# Altium PCB VOU_SOM_CV_V0.0.1.PcbDoc (part 1 of 3) (continued)
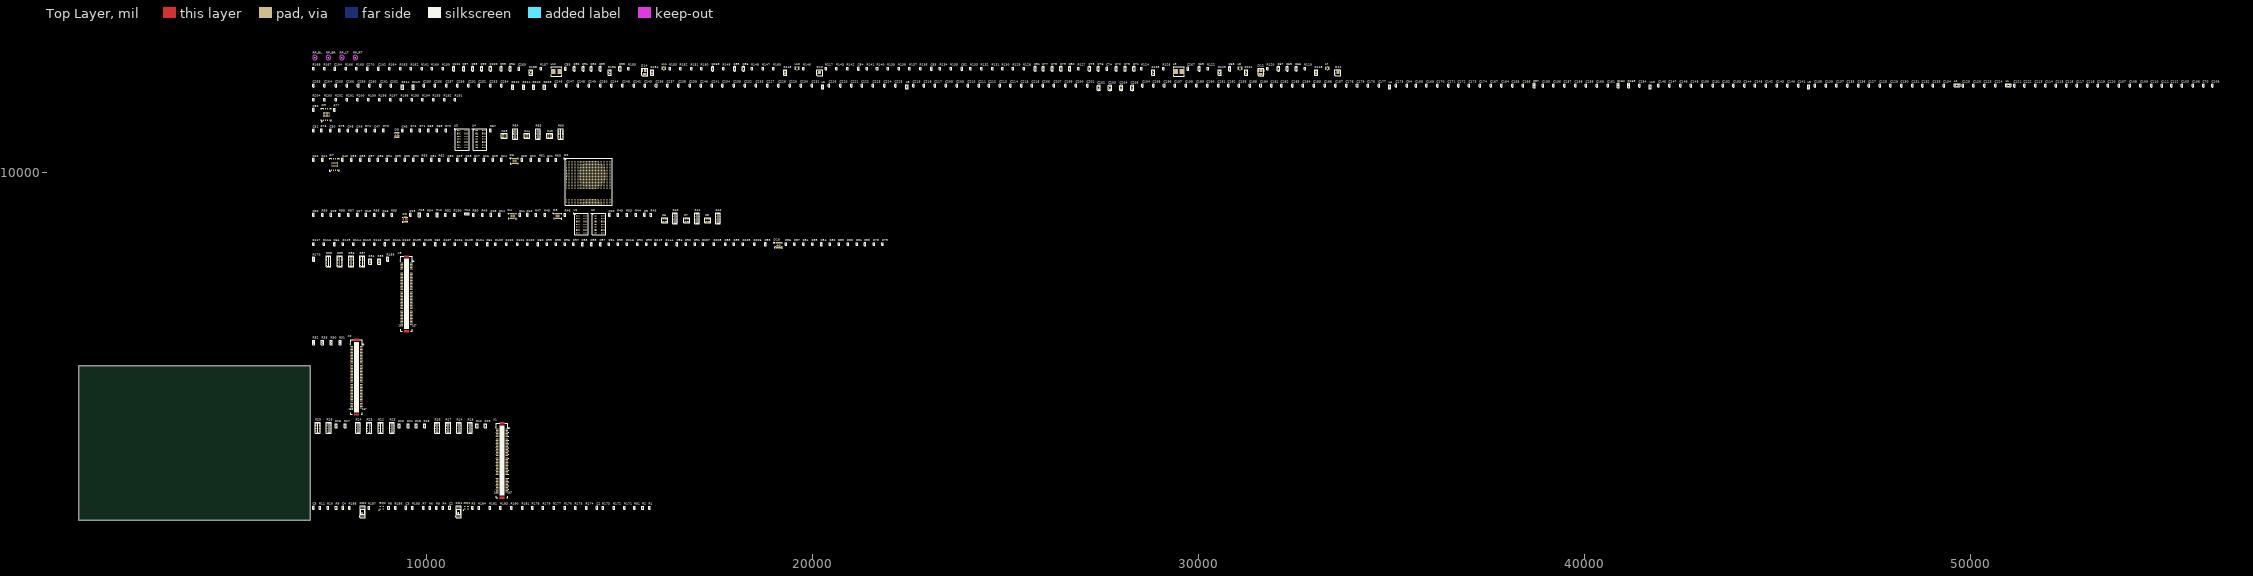
[diagram p0: Top Layer view]
## Components (designator, comment, footprint, x,y, rotation, side; value= is the part's Value field where it differs from the comment) (continued)
C116 "CC0402-X7R-0,01 мкФ-10%-50В" CC0402(1005) 52495,12265 r90 top
C117 "CC0402-X7R-0,01 мкФ-10%-50В" CC0402(1005) 52765,12265 r90 top
C118 "CC0402-X7R-0,01 мкФ-10%-50В" CC0402(1005) 53035,12265 r90 top
C119 "CC0402-X7R-0,01 мкФ-10%-50В" CC0402(1005) 53305,12265 r90 top
C120 "CC0402-X7R-0,01 мкФ-10%-50В" CC0402(1005) 53575,12265 r90 top
C121 "CC0402-X7R-0,01 мкФ-10%-50В" CC0402(1005) 51145,12265 r90 top
C122 "CC0402-X7R-0,01 мкФ-10%-50В" CC0402(1005) 51405,12265 r90 top
C123 "CC0402-X7R-0,1 мкФ-20%-10В" CC0402(1005) 50370,12265 r90 top
C124 "CC0402-X7R-0,1 мкФ-20%-10В" CC0402(1005) 50650,12265 r90 top
C125 "CC0402-X7R-0,01 мкФ-10%-50В" CC0402(1005) 49810,12265 r90 top
C126 "CC0402-X7R-0,01 мкФ-10%-50В" CC0402(1005) 50090,12265 r90 top
C127 "CC0402-X7R-0,01 мкФ-10%-50В" CC0402(1005) 47380,12265 r90 top
C128 "CC0402-X7R-0,01 мкФ-10%-50В" CC0402(1005) 47660,12265 r90 top
C129 "CC0402-X7R-0,01 мкФ-10%-50В" CC0402(1005) 47940,12265 r90 top
C130 "CC0402-X7R-0,01 мкФ-10%-50В" CC0402(1005) 48220,12265 r90 top
C131 "CC0402-X7R-0,01 мкФ-10%-50В" CC0402(1005) 48500,12265 r90 top
C132 "CC0402-X7R-0,01 мкФ-10%-50В" CC0402(1005) 48760,12265 r90 top
C133 "CC0402-X7R-0,01 мкФ-10%-50В" CC0402(1005) 49040,12265 r90 top
C134 "CC0402-X7R-0,01 мкФ-10%-50В" CC0402(1005) 49320,12265 r90 top
C135 "CC0402-X7R-0,01 мкФ-10%-50В" CC0402(1005) 46820,12265 r90 top
C136 "CC0402-X7R-0,01 мкФ-10%-50В" CC0402(1005) 47100,12265 r90 top
C137 "CC0402-X7R-0,01 мкФ-10%-50В" CC0402(1005) 46540,12265 r90 top
C138 "CC0402-X7R-0,1 мкФ-20%-10В" CC0402(1005) 45980,12265 r90 top
C139 "CC0402-X7R-0,1 мкФ-20%-10В" CC0402(1005) 46260,12265 r90 top
C140 "CC0402-X7R-0,01 мкФ-10%-50В" CC0402(1005) 45270,12265 r90 top
C141 "CC0402-X7R-0,01 мкФ-10%-50В" CC0402(1005) 45550,12265 r90 top
C142 "CC0402-X7R-0,01 мкФ-10%-50В" CC0402(1005) 44710,12265 r90 top
C143 "CC0402-X7R-0,01 мкФ-10%-50В" CC0402(1005) 44990,12265 r90 top
C144 "CC0402-X7R-0,01 мкФ-10%-50В" CC0402(1005) 44150,12265 r90 top
C145 "CC0402-X7R-0,01 мкФ-10%-50В" CC0402(1005) 44430,12265 r90 top
C146 "CC0402-X7R-0,01 мкФ-10%-50В" CC0402(1005) 41930,12265 r90 top
C147 "CC0402-X7R-0,01 мкФ-10%-50В" CC0402(1005) 42210,12265 r90 top
C148 "CC0402-X7R-0,01 мкФ-10%-50В" CC0402(1005) 42490,12265 r90 top
C149 "CC0402-X7R-0,01 мкФ-10%-50В" CC0402(1005) 42770,12265 r90 top
C150 "CC0402-X7R-0,01 мкФ-10%-50В" CC0402(1005) 43050,12265 r90 top
C151 "CC0402-X7R-0,01 мкФ-10%-50В" CC0402(1005) 43330,12265 r90 top
C152 "CC0402-X7R-0,01 мкФ-10%-50В" CC0402(1005) 43590,12265 r90 top
C153 "CC0402-X7R-0,01 мкФ-10%-50В" CC0402(1005) 43870,12265 r90 top
C154 "CC0402-X7R-0,01 мкФ-10%-50В" CC0402(1005) 41430,12265 r90 top
C155 "CC0402-X7R-0,01 мкФ-10%-50В" CC0402(1005) 38930,12265 r90 top
C156 "CC0402-X7R-0,01 мкФ-10%-50В" CC0402(1005) 39210,12265 r90 top
C157 "CC0402-X7R-0,01 мкФ-10%-50В" CC0402(1005) 39490,12265 r90 top
C158 "CC0402-X7R-0,01 мкФ-10%-50В" CC0402(1005) 39770,12265 r90 top
C159 "CC0402-X7R-0,01 мкФ-10%-50В" CC0402(1005) 40050,12265 r90 top
C160 "CC0402-X7R-0,1 мкФ-20%-10В" CC0402(1005) 40330,12265 r90 top
C161 "CC0402-X7R-0,1 мкФ-20%-10В" CC0402(1005) 40610,12265 r90 top
C162 "CC0603-X5R-22 мкФ-20%-6,3В" CC0603 40880,12265 r90 top
C163 "CC0603-X5R-22 мкФ-20%-6,3В" CC0603 41155,12265 r90 top
C164 "CC0402-X7R-0,01 мкФ-10%-50В" CC0402(1005) 37860,12265 r90 top
C165 "CC0402-X7R-0,01 мкФ-10%-50В" CC0402(1005) 38140,12265 r90 top
C166 "CC0402-X7R-0,1 мкФ-20%-10В" CC0402(1005) 38420,12265 r90 top
C167 "CC0402-X7R-0,01 мкФ-10%-50В" CC0402(1005) 37580,12265 r90 top
C168 "CC0402-X7R-4700 пФ-10%-50В" CC0402(1005) 35640,12265 r90 top
C169 "CC0402-X7R-4700 пФ-10%-50В" CC0402(1005) 35920,12265 r90 top
C170 "CC0402-X7R-4700 пФ-10%-50В" CC0402(1005) 36200,12265 r90 top
C171 "CC0402-X7R-4700 пФ-10%-50В" CC0402(1005) 36480,12265 r90 top
C172 "CC0402-X7R-4700 пФ-10%-50В" CC0402(1005) 36740,12265 r90 top
C173 "CC0402-X7R-4700 пФ-10%-50В" CC0402(1005) 37020,12265 r90 top
C174 "CC0402-X7R-4700 пФ-10%-50В" CC0402(1005) 37300,12265 r90 top
C175 "CC0402-X7R-0,01 мкФ-10%-50В" CC0402(1005) 35130,12265 r90 top
C176 "CC0402-X7R-0,1 мкФ-20%-10В" CC0402(1005) 34400,12265 r90 top
C177 "CC0402-X7R-0,1 мкФ-20%-10В" CC0402(1005) 34680,12265 r90 top
C178 "CC0402-X7R-0,01 мкФ-10%-50В" CC0402(1005) 33840,12265 r90 top
C179 "CC0402-X7R-0,01 мкФ-10%-50В" CC0402(1005) 34120,12265 r90 top
C180 "CC0402-X7R-4700 пФ-10%-50В" CC0402(1005) 31620,12265 r90 top
C181 "CC0402-X7R-4700 пФ-10%-50В" CC0402(1005) 31900,12265 r90 top
C182 "CC0402-X7R-4700 пФ-10%-50В" CC0402(1005) 32160,12265 r90 top
C183 "CC0402-X7R-4700 пФ-10%-50В" CC0402(1005) 32440,12265 r90 top
C184 "CC0402-X7R-4700 пФ-10%-50В" CC0402(1005) 32720,12265 r90 top
C185 "CC0402-X7R-4700 пФ-10%-50В" CC0402(1005) 33000,12265 r90 top
C186 "CC0402-X7R-4700 пФ-10%-50В" CC0402(1005) 33280,12265 r90 top
C187 "CC0402-X7R-4700 пФ-10%-50В" CC0402(1005) 33560,12265 r90 top
C188 "CC0402-X7R-0,01 мкФ-10%-50В" CC0402(1005) 31340,12265 r90 top
C189 "CC0402-X7R-0.047 мкФ-10%-50В" CC0402(1005) 29960,12265 r90 top
C190 "CC0402-X7R-0.047 мкФ-10%-50В" CC0402(1005) 30240,12265 r90 top
C191 "CC0402-X7R-0.047 мкФ-10%-50В" CC0402(1005) 30520,12265 r90 top
C192 "CC0402-X7R-0.047 мкФ-10%-50В" CC0402(1005) 30780,12265 r90 top
C193 "CC0402-X7R-0.047 мкФ-10%-50В" CC0402(1005) 31060,12265 r90 top
C194 "CC0402-X7R-0,01 мкФ-10%-50В" CC0402(1005) 28560,12265 r90 top
C195 "CC0402-X7R-0,01 мкФ-10%-50В" CC0402(1005) 28840,12265 r90 top
C196 "CC0402-X7R-0,01 мкФ-10%-50В" CC0402(1005) 29120,12265 r90 top
C197 "CC0402-X7R-0,1 мкФ-20%-10В" CC0402(1005) 29400,12265 r90 top
C198 "CC0402-X7R-0,1 мкФ-20%-10В" CC0402(1005) 29680,12265 r90 top
C199 "CC0402-X5R-10 мкФ-20%-6.3В" CC0402(1005) 26560,12265 r90 top
C200 "CC0402-X5R-10 мкФ-20%-6.3В" CC0402(1005) 26840,12265 r90 top
C201 "CC0402-X5R-10 мкФ-20%-6.3В" CC0402(1005) 27130,12265 r90 top
C202 "CC0805-X5R-100 мкФ-20%-4В" CC0805 27425,12205 r90 top
C203 "CC0805-X5R-100 мкФ-20%-4В" CC0805 27715,12205 r90 top
C204 "CC0805-X5R-100 мкФ-20%-4В" CC0805 28005,12205 r90 top
C205 "CC0805-X5R-100 мкФ-20%-4В" CC0805 28295,12205 r90 top
C206 "CC0402-X7R-0,01 мкФ-10%-50В" CC0402(1005) 25980,12265 r90 top
C207 "CC0402-X7R-0,01 мкФ-10%-50В" CC0402(1005) 26270,12265 r90 top
C208 "CC0402-X7R-0,01 мкФ-10%-50В" CC0402(1005) 23460,12265 r90 top
C209 "CC0402-X7R-0,01 мкФ-10%-50В" CC0402(1005) 23750,12265 r90 top
C210 "CC0402-X7R-0,1 мкФ-20%-10В" CC0402(1005) 24040,12265 r90 top
C211 "CC0402-X7R-0,1 мкФ-20%-10В" CC0402(1005) 24320,12265 r90 top
C212 "CC0402-X7R-0,1 мкФ-20%-10В" CC0402(1005) 24580,12265 r90 top
C213 "CC0402-X7R-0,22 мкФ-10%-6.3В" CC0402(1005) 24860,12265 r90 top
C214 "CC0402-X7R-0,22 мкФ-10%-6.3В" CC0402(1005) 25140,12265 r90 top
C215 "CC0402-X7R-0,47 мкФ-10%-6.3В" CC0402(1005) 25420,12265 r90 top
C216 "CC0402-X5R-1 мкФ-10%-6.3В" CC0402(1005) 25700,12265 r90 top
C217 "CC0402-X7R-0,01 мкФ-10%-50В" CC0402(1005) 23180,12265 r90 top
C218 "CC0402-X7R-0,01 мкФ-10%-50В" CC0402(1005) 22900,12265 r90 top
C219 "CC0402-X7R-0,01 мкФ-10%-50В" CC0402(1005) 22620,12265 r90 top
C220 "CC0402-X7R-0,01 мкФ-10%-50В" CC0402(1005) 20730,12265 r90 top
C221 "CC0402-X7R-0,01 мкФ-10%-50В" CC0402(1005) 21020,12265 r90 top
C222 "CC0402-X7R-0,01 мкФ-10%-50В" CC0402(1005) 21290,12265 r90 top
C223 "CC0402-X7R-0,1 мкФ-20%-10В" CC0402(1005) 21580,12265 r90 top
C224 "CC0402-X7R-0,1 мкФ-20%-10В" CC0402(1005) 21870,12265 r90 top
C225 "CC0402-X7R-0,1 мкФ-20%-10В" CC0402(1005) 22160,12265 r90 top
C226 "CC0402-X7R-0,01 мкФ-10%-50В" CC0402(1005) 20440,12265 r90 top
C227 "CC0402-X7R-4700 пФ-10%-50В" CC0402(1005) 18840,12265 r90 top
C228 "CC0402-X7R-4700 пФ-10%-50В" CC0402(1005) 19130,12265 r90 top
C229 "CC0402-X7R-0,22 мкФ-10%-6.3В" CC0402(1005) 19420,12265 r90 top
C230 "CC0402-X7R-0,22 мкФ-10%-6.3В" CC0402(1005) 19710,12265 r90 top
C231 "CC0402-X7R-0,47 мкФ-10%-6.3В" CC0402(1005) 20000,12265 r90 top
C232 "CC0402-X7R-0,1 мкФ-20%-10В" CC0402(1005) 18260,12265 r90 top
C233 "CC0402-X7R-0,1 мкФ-20%-10В" CC0402(1005) 18550,12265 r90 top
C234 "CC0402-X7R-0,01 мкФ-10%-50В" CC0402(1005) 17680,12265 r90 top
C235 "CC0402-X7R-0,01 мкФ-10%-50В" CC0402(1005) 17970,12265 r90 top
C236 "CC0402-X7R-0,01 мкФ-10%-50В" CC0402(1005) 15960,12265 r90 top
C237 "CC0402-X7R-0,01 мкФ-10%-50В" CC0402(1005) 16250,12265 r90 top
C238 "CC0402-X7R-0,01 мкФ-10%-50В" CC0402(1005) 16540,12265 r90 top
C239 "CC0402-X7R-0,1 мкФ-20%-10В" CC0402(1005) 16830,12265 r90 top
C240 "CC0402-X7R-0,1 мкФ-20%-10В" CC0402(1005) 17120,12265 r90 top
C241 "CC0402-X7R-0,1 мкФ-20%-10В" CC0402(1005) 17410,12265 r90 top
C242 "CC0402-X7R-0,1 мкФ-20%-10В" CC0402(1005) 15380,12265 r90 top
C243 "CC0402-X7R-0,1 мкФ-20%-10В" CC0402(1005) 15670,12265 r90 top
C244 "CC0402-X7R-0,01 мкФ-10%-50В" CC0402(1005) 14800,12265 r90 top
C245 "CC0402-X7R-0,01 мкФ-10%-50В" CC0402(1005) 15090,12265 r90 top
C246 "CC0402-X7R-4700 пФ-10%-50В" CC0402(1005) 13350,12265 r90 top
C247 "CC0402-X7R-4700 пФ-10%-50В" CC0402(1005) 13640,12265 r90 top
C248 "CC0402-X7R-0,22 мкФ-10%-6.3В" CC0402(1005) 13930,12265 r90 top
C249 "CC0402-X7R-0,22 мкФ-10%-6.3В" CC0402(1005) 14220,12265 r90 top
C250 "CC0402-X7R-0,47 мкФ-10%-6.3В" CC0402(1005) 14510,12265 r90 top
C251 "CC0402-X7R-0,1 мкФ-20%-10В" CC0402(1005) 11100,12265 r90 top
C252 "CC0402-X7R-0,1 мкФ-20%-10В" CC0402(1005) 11370,12265 r90 top
C253 "CC0402-X7R-0,1 мкФ-20%-10В" CC0402(1005) 11660,12265 r90 top
C254 "CC0402-X7R-0,22 мкФ-10%-6.3В" CC0402(1005) 11950,12265 r90 top
C255 "CC0402-X7R-0,01 мкФ-10%-50В" CC0402(1005) 9940,12265 r90 top
C256 "CC0402-X7R-0,01 мкФ-10%-50В" CC0402(1005) 10230,12265 r90 top
C257 "CC0402-X7R-0,01 мкФ-10%-50В" CC0402(1005) 10520,12265 r90 top
C258 "CC0402-X7R-0,01 мкФ-10%-50В" CC0402(1005) 10810,12265 r90 top
C259 "CC0402-X7R-0,1 мкФ-20%-10В" CC0402(1005) 8240,12265 r90 top
C260 "CC0402-X7R-0,1 мкФ-20%-10В" CC0402(1005) 8530,12265 r90 top
C261 "CC0402-X7R-0,1 мкФ-20%-10В" CC0402(1005) 8820,12265 r90 top
C262 "CC0402-X7R-0,22 мкФ-10%-6.3В" CC0402(1005) 9090,12265 r90 top
C263 "CC0402-X7R-0,01 мкФ-10%-50В" CC0402(1005) 7080,12265 r90 top
C264 "CC0402-X7R-0,01 мкФ-10%-50В" CC0402(1005) 7370,12265 r90 top
C265 "CC0402-X7R-0,01 мкФ-10%-50В" CC0402(1005) 7660,12265 r90 top
C266 "CC0402-X7R-0,01 мкФ-10%-50В" CC0402(1005) 7950,12265 r90 top
C267 "CC0402-X7R-0,1 мкФ-20%-10В" CC0402(1005) 29730,12700 r90 top
C268 "CC0603-X5R-22 мкФ-20%-6,3В" CC0603 17420,12700 r90 top
C269 "CC0402-X7R-2200 пФ-10%-16В" CC0402(1005) 12400,12700 r90 top
C270 "CC0402-X7R-0,01 мкФ-10%-50В" CC0402(1005) 8480,12700 r90 top
D2 "5CSXFC6D6F31I7N" ALTR-FBGA896_A-200 14210,9770 r0 top
D3 "TXS0108ERGYR" QFN50P450X350X100_HS-21N 13410,8885 r0 top
D4 "TXS0108ERGYR" QFN50P450X350X100_HS-21N 12235,8885 r0 top
D5 "TPS51200DRCR" TI-DRC10-2400X1650TP_V 9455,8795 r90 top
D6 "TXS0108ERGYR" QFN50P450X350X100_HS-21N 12290,10310 r0 top
D7 "MT25QL512ABB1EW9-0SIT" SON127P800X80_HS-9N 7625,10220 r90 top
D8 "TPS51200DRCR" TI-DRC10-2400X1650TP_V 9245,10980 r90 top
D9 "MT25QL512ABB1EW9-0SIT" SON127P800X80_HS-9N 7415,11515 r90 top
D10 "TXS0108ERGYR" QFN50P450X350X100_HS-21N 19125,8125 r0 top
D11 "RT8012AGQW" RT8012AGQW 33580,12535 r90 top
D12 "IR3859MTRPBF" IR3859 31565,12515 r90 top
D13 "RT8012AGQW" RT8012AGQW 20155,12535 r90 top
D14 "IR3859MTRPBF" IR3859 15600,12515 r90 top
DD1 "CDCLVC1104PWR" TSSOP-8 10845,1225 r90 top
DD2 "CDCLVC1104PWR" TSSOP-8 8355,1225 r90 top
GQ1 "ASEMB-50.000MHZ-XY-T" DFN210P320X100-4N 11040,1325 r0 top
GQ2 "ASEMB-25.000MHZ-XY-T" DFN210P320X100-4N 8850,1325 r0 top
HL1 "KPT-1608SURC" LED0603_Red 11055,8945 r0 top
HL2 "KPT-1608SYC" LED0603_Yellow 10285,8915 r90 top
HL3 "KPT-1608ZGC" LED0603_GREEN 9825,8915 r90 top
L1 "MH1608-600Y" CL0805 50985,12275 r0 top
L2 "MH1608-600Y" CL0805 49655,12275 r0 top
L3 "BLM18PG-60 Ом" CL0603 45820,12230 r90 top
L4 "BLM18PG-60 Ом" CL0603 34965,12230 r90 top
L5 "BLM18PG-60 Ом" CL0603 22455,12230 r90 top
L6 "BLM18PG-60 Ом" CL0603 20275,12230 r90 top
L7 "IHHP1008ABER2R2M01" INDC2720X12L 33345,12715 r0 top
L8 "IHHP1008AZER1R5M01" INDC2720X12L 31080,12715 r0 top
L9 "IHLP2525CZERR68M01" INDP6965X30L 29500,12630 r0 top
L10 "IHHP1008ABER2R2M01" INDC2720X12L 19605,12715 r0 top
L11 "IHHP1008AZER1R5M01" INDC2720X12L 16155,12715 r0 top
L12 "IHLP2525CZERR33M01" INDP6965X30L 13375,12630 r0 top
L13 "BLM18PG-60 Ом" CL0603 41715,12230 r90 top
R1 "CR0402-2 кОм-±5%" CR0402(1005) 15780,1330 r90 top
R2 "CR0402-2 кОм-±5%" CR0402(1005) 15610,1330 r90 top
R3 "CR0402-4.7 кОм-±5%" CR0402(1005) 11200,1330 r90 top
R4 "CR0402-22 Ом-±5%" CR0402(1005) 10440,1330 r90 top
R5 "CR0402-22 Ом-±5%" CR0402(1005) 10270,1330 r90 top
R6 "CR0402-22 Ом-±5%" CR0402(1005) 10100,1330 r90 top
R7 "CR0402-22 Ом-±5%" CR0402(1005) 9930,1330 r90 top
R8 "CR0402-4.7 кОм-±5%" CR0402(1005) 9030,1330 r90 top
R9 "CR0402-22 Ом-±5%" CR0402(1005) 7670,1330 r90 top
R10 "CR0402-22 Ом-±5%" CR0402(1005) 7450,1330 r90 top
R11 "CR0402-22 Ом-±5%" CR0402(1005) 7250,1330 r90 top
R12 "CR0603-0 Ом-±5%" CR0603 11315,3450 r90 top
R13 "CR0603-0 Ом-±5%" CR0603 11535,3450 r90 top
R14 "YC248-JR-07-22 Ом" CAT16-J8 10850,3395 r90 top
R15 "YC248-JR-07-22 Ом" CAT16-J8 11135,3395 r90 top
R16 "YC248-JR-07-22 Ом" CAT16-J8 10285,3395 r90 top
R17 "YC248-JR-07-22 Ом" CAT16-J8 10570,3395 r90 top
R18 "CR0603-0 Ом-±5%" CR0603 9745,3450 r90 top
R19 "CR0603-0 Ом-±5%" CR0603 9965,3450 r90 top
R20 "CR0603-0 Ом-±5%" CR0603 9305,3450 r90 top
R21 "CR0603-0 Ом-±5%" CR0603 9535,3450 r90 top
R22 "YC248-JR-07-22 Ом" CAT16-J8 8820,3395 r90 top
R23 "YC248-JR-07-22 Ом" CAT16-J8 9115,3395 r90 top
R24 "YC248-JR-07-22 Ом" CAT16-J8 8235,3395 r90 top
R25 "YC248-JR-07-22 Ом" CAT16-J8 8525,3395 r90 top
R26 "CR0603-0 Ом-±5%" CR0603 7670,3450 r90 top
R27 "CR0603-0 Ом-±5%" CR0603 7900,3450 r90 top
R28 "YC248-JR-07-22 Ом" CAT16-J8 7480,3395 r90 top
R29 "YC248-JR-07-22 Ом" CAT16-J8 7190,3395 r90 top
R30 "CR0603-0 Ом-±5%" CR0603 7545,5610 r90 top
R31 "CR0603-0 Ом-±5%" CR0603 7775,5610 r90 top
R32 "CR0603-0 Ом-±5%" CR0603 7085,5610 r90 top
R33 "CR0603-0 Ом-±5%" CR0603 7315,5610 r90 top
R34 "CR0805-0 Ом-±5%" CR0805 8555,7710 r90 top
R35 "CR0805-0 Ом-±5%" CR0805 8785,7710 r90 top
R36 "YC248-JR-07-22 Ом" CAT16-J8 8055,7715 r90 top
R37 "YC248-JR-07-22 Ом" CAT16-J8 8345,7715 r90 top
R38 "YC248-JR-07-22 Ом" CAT16-J8 7470,7715 r90 top
R39 "YC248-JR-07-22 Ом" CAT16-J8 7760,7715 r90 top
R40 "YC248-JR-07-51 Ом" CAT16-J8 16445,8825 r90 top
R41 "YC248-JR-07-51 Ом" CAT16-J8 17015,8825 r90 top
R42 "YC248-JR-07-51 Ом" CAT16-J8 17560,8825 r90 top
R43 "CR0402-100 Ом-±5%" CR0402(1005) 15830,8920 r90 top
R44 "CR0402-100 Ом-±5%" CR0402(1005) 15430,8920 r90 top
R45 "CR0402-100 Ом-±5%" CR0402(1005) 14970,8920 r90 top
R46 "CR0402-100 Ом-±5%" CR0402(1005) 13600,8920 r90 top
R47 "CR0402-240 Ом-±TOLERANCE" CR0402(1005) 12845,8920 r90 top
R48 "CR0402-240 Ом-±TOLERANCE" CR0402(1005) 13075,8920 r90 top
R49 "CR0402-2 кОм-±5%" CR0402(1005) 11455,8920 r90 top
R50 "CR0402-240 Ом-±5%" CR0402(1005) 11225,8920 r90 top
R51 "CR0402-4.7 кОм-±5%" CR0402(1005) 15400,1330 r90 top
R52 "CR0402-240 Ом-±5%" CR0402(1005) 10505,8920 r90 top
R53 "CR0402-100 Ом-±TOLERANCE" CR0402(1005) 15200,8920 r90 top
R54 "CR0402-240 Ом-±5%" CR0402(1005) 10045,8920 r90 top
R55 "CR0402-100 кОм-±5%" CR0402(1005) 9110,8920 r90 top
R56 "CR0402-10 кОм-±5%" CR0402(1005) 8660,8920 r90 top
R57 "CR0402-100 Ом-±TOLERANCE" CR0402(1005) 7990,8920 r90 top
R58 "CR0402-10 кОм-±5%" CR0402(1005) 7760,8920 r90 top
R59 "CR0402-10 кОм-±5%" CR0402(1005) 7310,8920 r90 top
R60 "CR0402-100 Ом-±5%" CR0402(1005) 13360,10345 r90 top
R61 "CR0402-100 Ом-±5%" CR0402(1005) 12940,10345 r90 top
R62 "CR0402-0 Ом-±5%" CR0402(1005) 10345,10345 r90 top
R63 "CR0402-10 кОм-±5%" CR0402(1005) 9905,10345 r90 top
R64 "YC248-JR-07-51 Ом" CAT16-J8 12305,11010 r90 top
R65 "YC248-JR-07-51 Ом" CAT16-J8 12895,11010 r90 top
R66 "YC248-JR-07-51 Ом" CAT16-J8 13485,11010 r90 top
R67 "CR0402-100 Ом-±TOLERANCE" CR0402(1005) 11670,11105 r90 top
R68 "CR0402-240 Ом-±TOLERANCE" CR0402(1005) 10285,11105 r90 top
R69 "CR0402-100 Ом-±TOLERANCE" CR0402(1005) 10055,11105 r90 top
R70 "CR0402-240 Ом-±TOLERANCE" CR0402(1005) 10515,11105 r90 top
R71 "CR0402-2 кОм-±5%" CR0402(1005) 9845,11105 r90 top
R72 "CR0402-4.7 кОм-±5%" CR0402(1005) 9615,11105 r90 top
R73 "CR0402-100 кОм-±5%" CR0402(1005) 8900,11105 r90 top
R74 "CR0402-10 кОм-±5%" CR0402(1005) 8440,11105 r90 top
R75 "CR0402-10 кОм-±5%" CR0402(1005) 7750,11105 r90 top
R76 "CR0402-10 кОм-±5%" CR0402(1005) 7290,11105 r90 top
R77 "CR0402-4.7 кОм-±5%" CR0402(1005) 7625,11640 r90 top
R78 "CR0402-100 Ом-±5%" CR0402(1005) 21595,8160 r90 top
R79 "CR0402-200 Ом-±5%" CR0402(1005) 21825,8160 r90 top
R80 "CR0402-100 Ом-±5%" CR0402(1005) 20925,8160 r90 top
R81 "CR0402-200 Ом-±5%" CR0402(1005) 21155,8160 r90 top
R82 "CR0402-100 Ом-±5%" CR0402(1005) 20465,8160 r90 top
R83 "CR0402-200 Ом-±5%" CR0402(1005) 20695,8160 r90 top
R84 "CR0402-100 Ом-±5%" CR0402(1005) 19775,8160 r90 top
R85 "CR0402-200 Ом-±5%" CR0402(1005) 20005,8160 r90 top
R86 "CR0402-100 Ом-±5%" CR0402(1005) 19315,8160 r90 top
R87 "CR0402-200 Ом-±5%" CR0402(1005) 19545,8160 r90 top
R88 "CR0402-100 Ом-±5%" CR0402(1005) 17750,8160 r90 top
R89 "CR0402-200 Ом-±5%" CR0402(1005) 17980,8160 r90 top
R90 "CR0402-100 Ом-±5%" CR0402(1005) 16730,8160 r90 top
R91 "CR0402-200 Ом-±5%" CR0402(1005) 16960,8160 r90 top
R92 "CR0402-100 Ом-±5%" CR0402(1005) 15480,8160 r90 top
R93 "CR0402-200 Ом-±5%" CR0402(1005) 15710,8160 r90 top
R94 "CR0402-100 Ом-±5%" CR0402(1005) 14740,8160 r90 top
R95 "CR0402-200 Ом-±5%" CR0402(1005) 14970,8160 r90 top
R96 "CR0402-100 Ом-±5%" CR0402(1005) 13590,8160 r90 top
R97 "CR0402-200 Ом-±5%" CR0402(1005) 13820,8160 r90 top
R98 "CR0402-100 Ом-±5%" CR0402(1005) 13360,8160 r90 top
R99 "CR0402-200 Ом-±5%" CR0402(1005) 13130,8160 r90 top
R100 "CR0402-200 Ом-±5%" CR0402(1005) 12620,8160 r90 top
R101 "CR0402-100 Ом-±5%" CR0402(1005) 12360,8160 r90 top
R102 "CR0402-100 Ом-±5%" CR0402(1005) 12080,8160 r90 top
R103 "CR0402-200 Ом-±5%" CR0402(1005) 11800,8160 r90 top
R104 "CR0402-200 Ом-±5%" CR0402(1005) 11310,8160 r90 top
R105 "CR0402-100 Ом-±5%" CR0402(1005) 11030,8160 r90 top
R106 "CR0402-100 Ом-±5%" CR0402(1005) 10750,8160 r90 top
R107 "CR0402-200 Ом-±5%" CR0402(1005) 10470,8160 r90 top
R108 "CR0402-200 Ом-±5%" CR0402(1005) 9960,8160 r90 top
R109 "CR0402-100 Ом-±5%" CR0402(1005) 9680,8160 r90 top
R110 "CR0402-100 Ом-±5%" CR0402(1005) 9410,8160 r90 top
R111 "CR0402-200 Ом-±5%" CR0402(1005) 9160,8160 r90 top
R112 "CR0402-200 Ом-±5%" CR0402(1005) 8660,8160 r90 top
R113 "CR0402-100 Ом-±5%" CR0402(1005) 8390,8160 r90 top
R114 "CR0402-100 Ом-±5%" CR0402(1005) 8120,8160 r90 top
R115 "CR0402-200 Ом-±5%" CR0402(1005) 7850,8160 r90 top
R116 "CR0402-200 Ом-±5%" CR0402(1005) 7350,8160 r90 top
R117 "CR0402-100 Ом-±5%" CR0402(1005) 7080,8160 r90 top
R118 "CR0805-0 Ом-±5%" CR0805 33060,12605 r90 top
R119 "CR0402-45.3 кОм-±1%" CR0402(1005) 32765,12705 r90 top
R120 "CR0402-35.7 кОм-±1%" CR0402(1005) 31795,12705 r90 top
R121 "CR0805-0 Ом-±5%" CR0805 31250,12605 r90 top
R122 "CR0402-45.3 кОм-±1%" CR0402(1005) 30250,12705 r90 top
R123 "CR0805-0 Ом-±5%" CR0805 30555,12605 r90 top
R124 "CR0402-7.15 кОм-±1%" CR0402(1005) 28535,12705 r90 top
R125 "CR0805-0 Ом-±5%" CR0805 28840,12605 r90 top
R126 "CR0402-45.3 кОм-±1%" CR0402(1005) 29095,12705 r90 top
R127 "CR0402-21.0 кОм-±1%" CR0402(1005) 26895,12705 r90 top
R128 "CR0402-45.3 кОм-±1%" CR0402(1005) 25485,12705 r90 top
R129 "CR0402-3.16 кОм-±1%" CR0402(1005) 25205,12705 r90 top
R130 "CR0402-45.3 кОм-±1%" CR0402(1005) 24925,12705 r90 top
R131 "CR0402-10 кОм-±5%" CR0402(1005) 24665,12705 r90 top
R132 "CR0402-14.3кОм-±1%" CR0402(1005) 24385,12705 r90 top
R133 "CR0402-130 Ом-±1%" CR0402(1005) 24105,12705 r90 top
R134 "CR0402-0 Ом-±5%" CR0402(1005) 23315,12705 r90 top
R135 "CR0402-0 Ом-±5%" CR0402(1005) 23595,12705 r90 top
R136 "CR0402-0 Ом-±5%" CR0402(1005) 22805,12705 r90 top
R137 "CR0402-1.65 кОм-±1%" CR0402(1005) 22525,12705 r90 top
R138 "CR0402-0 Ом-±5%" CR0402(1005) 22245,12705 r90 top
R139 "CR0402-0 Ом-±5%" CR0402(1005) 21965,12705 r90 top
R140 "CR0402-12.1 кОм-±1%" CR0402(1005) 21685,12705 r90 top
R141 "CR0402-0 Ом-±5%" CR0402(1005) 21425,12705 r90 top
R142 "CR0402-10 кОм-±1%" CR0402(1005) 20915,12705 r90 top
R143 "CR0402-0 Ом-±5%" CR0402(1005) 20635,12705 r90 top
R144 "CR0402-10 кОм-±5%" CR0402(1005) 16220,8160 r90 top
R145 "CR0805-0 Ом-±5%" CR0805 19305,12605 r90 top
R146 "CR0402-0 Ом-±5%" CR0402(1005) 19780,12705 r90 top
R147 "CR0402-45.3 кОм-±1%" CR0402(1005) 18720,12705 r90 top
R148 "CR0402-10 кОм-±5%" CR0402(1005) 18440,12705 r90 top
R149 "CR0402-0 Ом-±5%" CR0402(1005) 17700,12705 r90 top
R150 "CR0402-0 Ом-±5%" CR0402(1005) 17130,12705 r90 top
R151 "CR0402-86.6 кОм-±1%" CR0402(1005) 16870,12705 r90 top
R152 "CR0402-0 Ом-±5%" CR0402(1005) 16590,12705 r90 top
R153 "CR0402-0 Ом-±5%" CR0402(1005) 16310,12705 r90 top
R154 "CR0805-0 Ом-±5%" CR0805 15855,12605 r90 top
R155 "CR0402-45.3 кОм-±1%" CR0402(1005) 15245,12705 r90 top
R156 "CR0805-0 Ом-±5%" CR0805 14760,12605 r90 top
R157 "CR0402-64.9 кОм-±1%" CR0402(1005) 12970,12705 r90 top
R158 "CR0805-0 Ом-±5%" CR0805 12715,12605 r90 top
R159 "CR0402-3.16 кОм-±1%" CR0402(1005) 10430,12705 r90 top
R160 "CR0402-45.3 кОм-±1%" CR0402(1005) 10150,12705 r90 top
R161 "CR0402-45.3 кОм-±1%" CR0402(1005) 9890,12705 r90 top
R162 "CR0402-14.3кОм-±1%" CR0402(1005) 9610,12705 r90 top
R163 "CR0402-0 Ом-±5%" CR0402(1005) 9330,12705 r90 top
R164 "CR0402-130 Ом-±1%" CR0402(1005) 9050,12705 r90 top
R165 "CR0402-1.65 кОм-±1%" CR0402(1005) 8200,12705 r90 top
R166 "CR0402-78.7 кОм-±1%" CR0402(1005) 7920,12705 r90 top
R167 "CR0402-52.3 кОм-±1%" CR0402(1005) 7360,12705 r90 top
R168 "CR0402-0 Ом-±5%" CR0402(1005) 7080,12705 r90 top
R169 "CR0603-0 Ом-±5%" CR0603 9000,7770 r90 top
R170 "CR0603-0 Ом-±5%" CR0603 7085,7770 r90 top
R171 "CR0402-4.7 кОм-±5%" CR0402(1005) 15140,1330 r90 top
R172 "CR0402-4.7 кОм-±5%" CR0402(1005) 14860,1330 r90 top
R173 "CR0402-4.7 кОм-±5%" CR0402(1005) 14580,1330 r90 top
R174 "CR0402-4.7 кОм-±5%" CR0402(1005) 14150,1330 r90 top
R175 "CR0402-4.7 кОм-±5%" CR0402(1005) 13870,1330 r90 top
R176 "CR0402-4.7 кОм-±5%" CR0402(1005) 13590,1330 r90 top
R177 "CR0402-4.7 кОм-±5%" CR0402(1005) 13310,1330 r90 top
R178 "CR0402-4.7 кОм-±5%" CR0402(1005) 12750,1330 r90 top
R179 "CR0402-4.7 кОм-±5%" CR0402(1005) 13030,1330 r90 top
R180 "CR0402-4.7 кОм-±5%" CR0402(1005) 12210,1330 r90 top
R181 "CR0402-4.7 кОм-±5%" CR0402(1005) 12490,1330 r90 top
R182 "CR0402-4.7 кОм-±5%" CR0402(1005) 11650,1330 r90 top
R183 "CR0402-4.7 кОм-±5%" CR0402(1005) 11930,1330 r90 top
R184 "CR0402-4.7 кОм-±5%" CR0402(1005) 11370,1330 r90 top
R185 "CR0402-4.7 кОм-±5%" CR0402(1005) 9650,1330 r90 top
R186 "CR0402-4.7 кОм-±5%" CR0402(1005) 9200,1330 r90 top
R187 "CR0402-4.7 кОм-±5%" CR0402(1005) 8520,1330 r90 top
R188 "CR0402-4.7 кОм-±5%" CR0402(1005) 8010,1330 r90 top
R189 "CR0402-0 Ом-±5%" CR0402(1005) 19000,12705 r90 top
R190 "CR0402-4.7 кОм-±5%" CR0402(1005) 10735,8920 r90 top
R191 "CR0402-4.7 кОм-±5%" CR0402(1005) 10750,11905 r90 top
R192 "CR0402-4.7 кОм-±5%" CR0402(1005) 10470,11905 r90 top
R193 "CR0402-4.7 кОм-±5%" CR0402(1005) 10190,11905 r90 top
R194 "CR0402-4.7 кОм-±5%" CR0402(1005) 9910,11905 r90 top
R195 "CR0402-4.7 кОм-±5%" CR0402(1005) 9630,11905 r90 top
R196 "CR0402-4.7 кОм-±5%" CR0402(1005) 9350,11905 r90 top
R197 "CR0402-4.7 кОм-±5%" CR0402(1005) 9070,11905 r90 top
R198 "CR0402-4.7 кОм-±5%" CR0402(1005) 8790,11905 r90 top
R199 "CR0402-4.7 кОм-±5%" CR0402(1005) 8510,11905 r90 top
R200 "CR0402-4.7 кОм-±5%" CR0402(1005) 8220,11905 r90 top
R201 "CR0402-4.7 кОм-±5%" CR0402(1005) 7950,11905 r90 top
R202 "CR0402-4.7 кОм-±5%" CR0402(1005) 7660,11905 r90 top
R203 "CR0402-4.7 кОм-±5%" CR0402(1005) 7370,11905 r90 top
R204 "CR0402-4.7 кОм-±5%" CR0402(1005) 7080,11905 r90 top
R205 "CR0402-22 Ом-±5%" CR0402(1005) 18210,8160 r90 top
R206 "CR0402-22 Ом-±5%" CR0402(1005) 18500,8160 r90 top
R207 "CR0402-22 Ом-±5%" CR0402(1005) 17170,8160 r90 top
R208 "CR0402-22 Ом-±5%" CR0402(1005) 17460,8160 r90 top
R209 "CR0603-0 Ом-±5%" CR0603 13065,12230 r90 top
R210 "CR0603-0 Ом-±5%" CR0603 12785,12230 r90 top
R211 "CR0603-0 Ом-±5%" CR0603 12525,12230 r90 top
R212 "CR0603-0 Ом-±5%" CR0603 12245,12230 r90 top
R213 "CR0603-0 Ом-±5%" CR0603 9665,12230 r90 top
R214 "CR0603-0 Ом-±5%" CR0603 9385,12230 r90 top
R215 "CR0402-10 кОм-±5%" CR0402(1005) 15940,8160 r90 top
R216 "CR0402-10 кОм-±5%" CR0402(1005) 15200,8160 r90 top
R217 "CR0402-10 кОм-±5%" CR0402(1005) 20355,12705 r90 top
RP_BL "Comment" Reper-Normal 7115,12990 r90 top
RP_BR "Comment" Reper-Normal 7465,12990 r90 top
RP_LT "Comment" Reper-Normal 7815,12990 r90 top
RP_RT "Comment" Reper-Normal 8165,12990 r90 top
U1 "MT41K256M16HA-125 AIT" MICT-HA-96 14020,8680 r0 top
U2 "MT41K256M16HA-125 AIT" MICT-HA-96 14480,8680 r0 top
U3 "MT41K256M16HA-125 AIT" MICT-HA-96 10935,10865 r0 top
U4 "MT41K256M16HA-125 AIT" MICT-HA-96 11395,10865 r0 top
X1 "FX10A-168S-SV" FX10A-168S-SV 11965,2550 r90 top
X2 "FX10A-168S-SV" FX10A-168S-SV 8195,4710 r90 top
X3 "FX10A-168S-SV" FX10A-168S-SV 9490,6870 r90 top